# Altium PCB XTIDA-010086.PcbDoc (part 14 of 17)
Units mm, origin at the board's own origin, x right, y up, seen from the top; angles counter-clockwise.
Board outline 375 x 210 mm, 6 copper layers (Top Layer, GND Layer, Signal Layer 1, Signal Layer 2, Power Layer, Bottom Layer), stack 1.575 mm thick; 1884 components, 1036 nets, 4948 pads, 6791 vias.
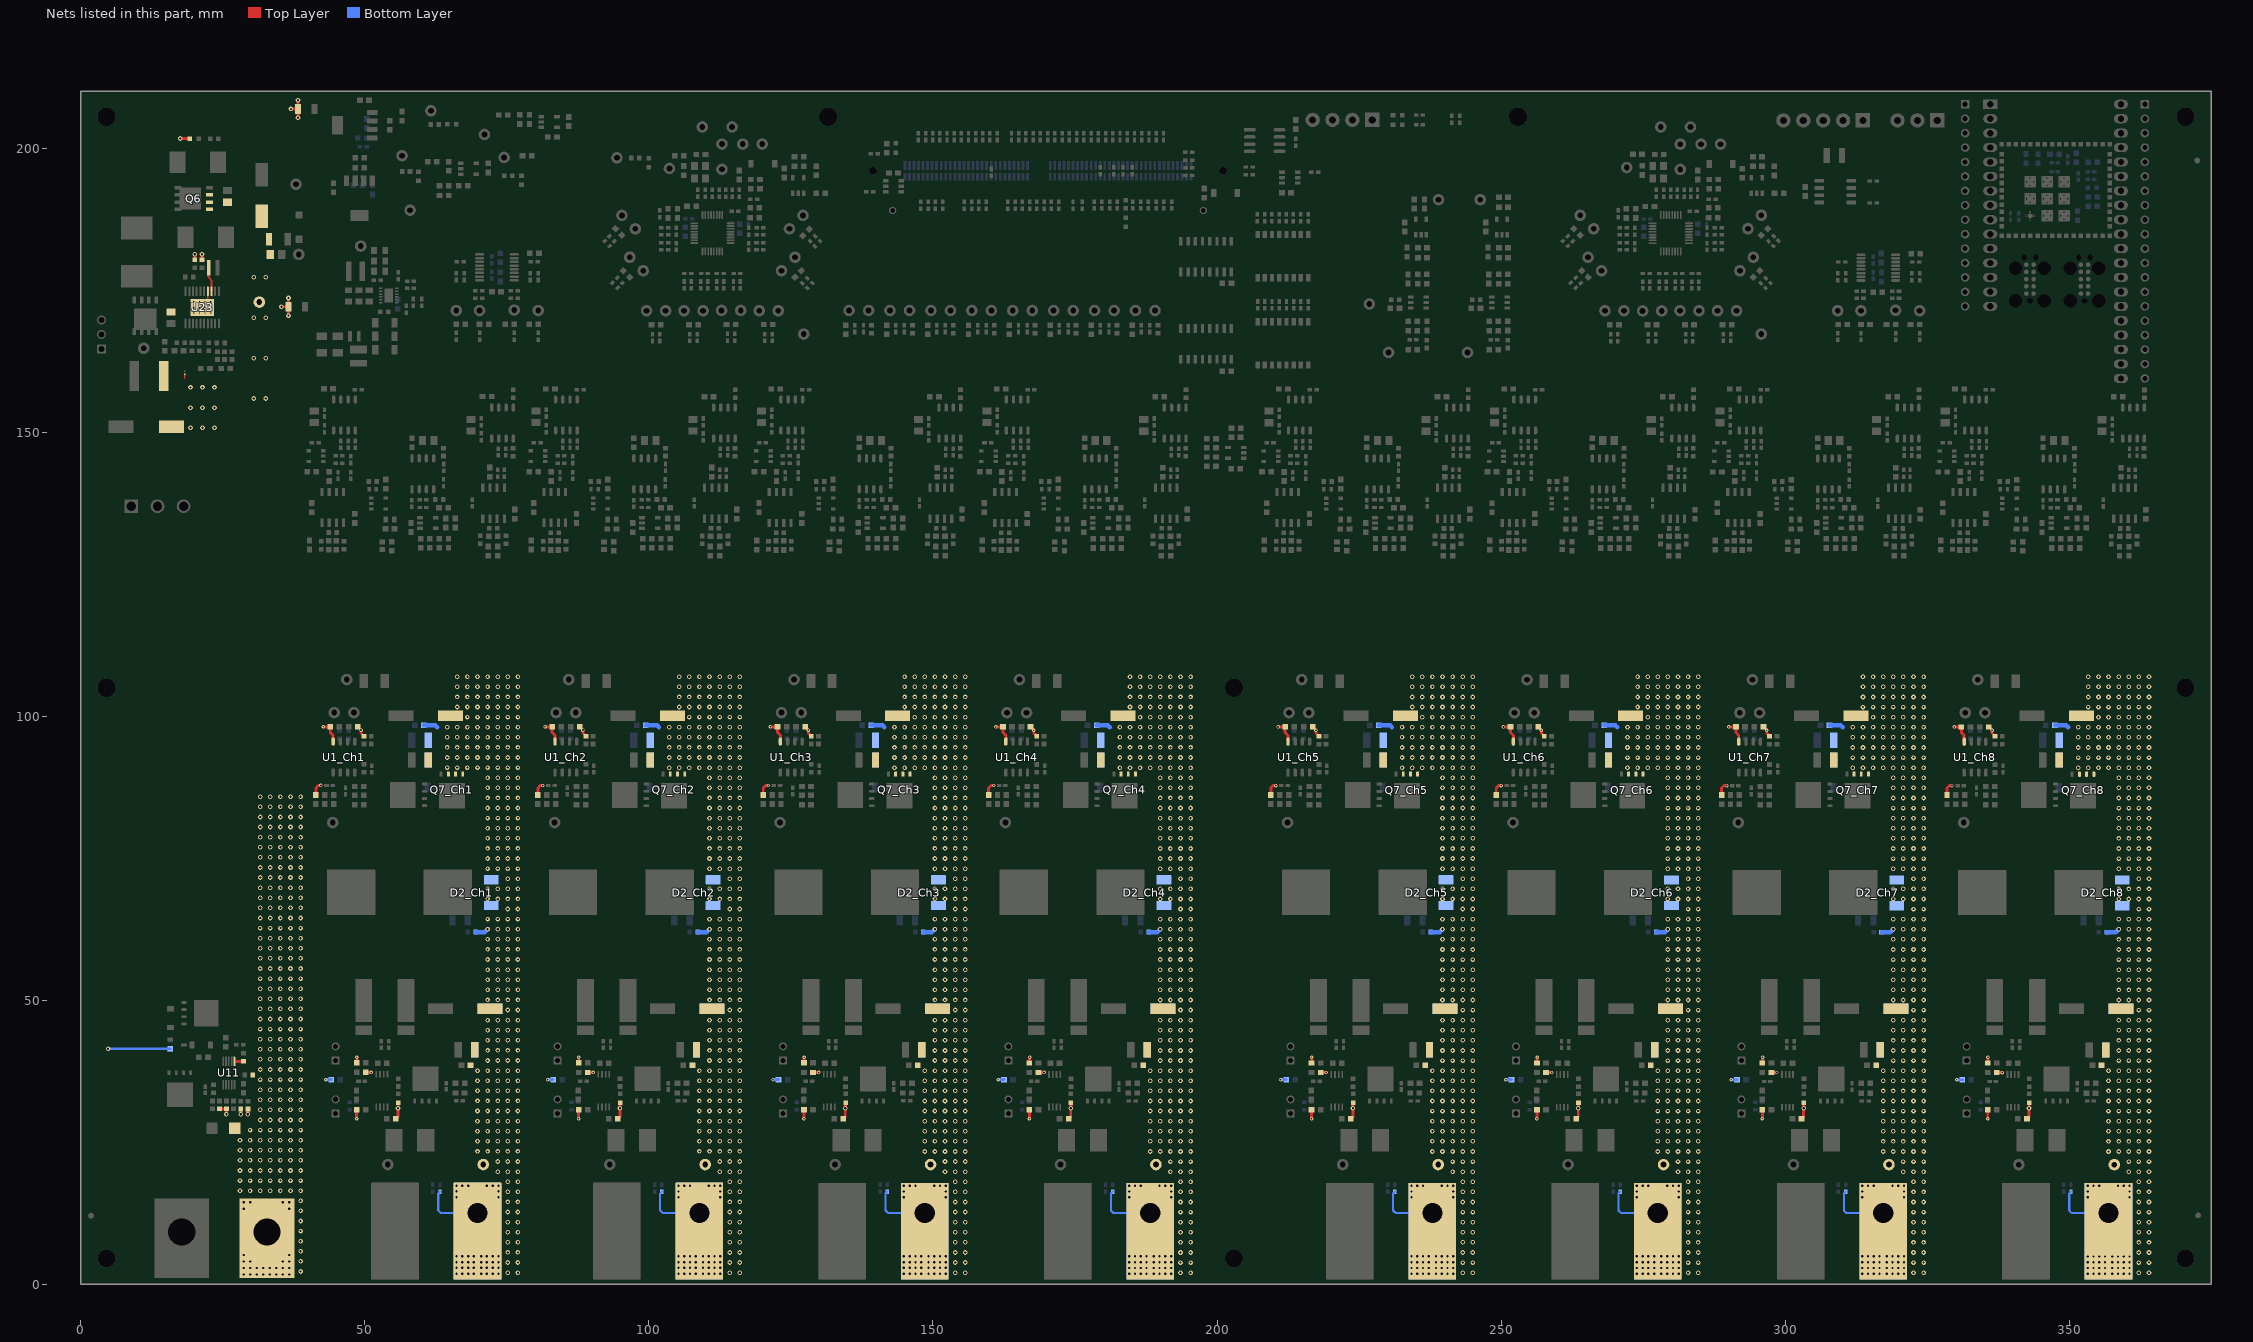
[diagram p18: the nets of this part, all layers, seen from the top]

## Via types
v1: diameter 0.813, hole 0.4, Top Layer to Bottom Layer, tented both sides, 4738 vias
v2: diameter 0.61, hole 0.3, Top Layer to Bottom Layer, tented both sides, 1254 vias
v3: diameter 0.813, hole 0.406, Top Layer to Bottom Layer, 728 vias
v4: diameter 0.5, hole 0.2, Top Layer to Bottom Layer, 40 vias
v5: diameter 5.45, hole 3.556, Top Layer to Bottom Layer, 16 vias
v6: diameter 5/3.65/3.65/3.65/3.65/5 (per signal layer), hole 3.2, Top Layer to Bottom Layer, 12 vias
v7: diameter 0.813, hole 0.4, Top Layer to Bottom Layer, 3 vias

## Nets (pads, with @x,y where several pads share a name; then routed paths per layer and width w, separated by ;. In a path a pad name is that pad's centre, name@x,y a point inside that pad or via, vN(x,y) a via of type N, cw(c..) or ccw(c..) an arc to the next point about the centre after c; other vN are vias at no path point) (continued)
PGND: C3_Ch1.2 C3_Ch2.2 C3_Ch3.2 C3_Ch4.2 C3_Ch5.2 C3_Ch6.2 C3_Ch7.2 C3_Ch8.2 C4_Ch1.2 C4_Ch2.2 C4_Ch3.2 C4_Ch4.2 C4_Ch5.2 C4_Ch6.2 C4_Ch7.2 C4_Ch8.2 C5_Ch1.2 C5_Ch2.2 C5_Ch3.2 C5_Ch4.2 C5_Ch5.2 C5_Ch6.2 C5_Ch7.2 C5_Ch8.2 C6_Ch1.2 C6_Ch2.2 C6_Ch3.2 C6_Ch4.2 C6_Ch5.2 C6_Ch6.2 C6_Ch7.2 C6_Ch8.2 C7_Ch1.2 C7_Ch2.2 C7_Ch3.2 C7_Ch4.2 C7_Ch5.2 C7_Ch6.2 C7_Ch7.2 C7_Ch8.2 C8_Ch1.1 C8_Ch2.1 C8_Ch3.1 C8_Ch4.1 C8_Ch5.1 C8_Ch6.1 C8_Ch7.1 C8_Ch8.1 C9_Ch1.2 C9_Ch2.2 C9_Ch3.2 C9_Ch4.2 C9_Ch5.2 C9_Ch6.2 C9_Ch7.2 C9_Ch8.2 C10_Ch1.2 C10_Ch2.2 C10_Ch3.2 C10_Ch4.2 C10_Ch5.2 C10_Ch6.2 C10_Ch7.2 C10_Ch8.2 C11_Ch1.2 C11_Ch2.2 C11_Ch3.2 C11_Ch4.2 C11_Ch5.2 C11_Ch6.2 C11_Ch7.2 C11_Ch8.2 C12_Ch1.2 C12_Ch2.2 C12_Ch3.2 C12_Ch4.2 C12_Ch5.2 C12_Ch6.2 C12_Ch7.2 C12_Ch8.2 C13_Ch1.2 C13_Ch2.2 C13_Ch3.2 C13_Ch4.2 C13_Ch5.2 C13_Ch6.2 C13_Ch7.2 C13_Ch8.2 C15_Ch1.1 C15_Ch2.1 C15_Ch3.1 C15_Ch4.1 C15_Ch5.1 C15_Ch6.1 C15_Ch7.1 C15_Ch8.1 C29_Ch1.2 C29_Ch2.2 C29_Ch3.2 C29_Ch4.2 C29_Ch5.2 C29_Ch6.2 C29_Ch7.2 C29_Ch8.2 C31_Ch1.2 C31_Ch2.2 C31_Ch3.2 C31_Ch4.2 C31_Ch5.2 C31_Ch6.2 C31_Ch7.2 C31_Ch8.2 C56.1 C57.1 C58.2 C59.1 C109.2 C110.2 C111.2 C113.2 C114.2 C118.2 C119.2 C121.2 C137.2 D2_Ch1.1 D2_Ch1.3 D2_Ch2.1 D2_Ch2.3 D2_Ch3.1 D2_Ch3.3 D2_Ch4.1 D2_Ch4.3 D2_Ch5.1 D2_Ch5.3 D2_Ch6.1 D2_Ch6.3 D2_Ch7.1 D2_Ch7.3 D2_Ch8.1 D2_Ch8.3 D8.2 D11.1 D36_Ch1.1 D36_Ch2.1 D36_Ch3.1 D36_Ch4.1 D36_Ch5.1 D36_Ch6.1 D36_Ch7.1 D36_Ch8.1 J3_Ch1.1 J3_Ch2.1 J3_Ch3.1 J3_Ch4.1 J3_Ch5.1 J3_Ch6.1 J3_Ch7.1 J3_Ch8.1 NT1.2 Q6.1 Q6.2 Q6.3 Q7_Ch1.1 Q7_Ch1.2 Q7_Ch1.3 Q7_Ch2.1 Q7_Ch2.2 Q7_Ch2.3 Q7_Ch3.1 Q7_Ch3.2 Q7_Ch3.3 Q7_Ch4.1 Q7_Ch4.2 Q7_Ch4.3 Q7_Ch5.1 Q7_Ch5.2 Q7_Ch5.3 Q7_Ch6.1 Q7_Ch6.2 Q7_Ch6.3 Q7_Ch7.1 Q7_Ch7.2 Q7_Ch7.3 Q7_Ch8.1 Q7_Ch8.2 Q7_Ch8.3 R1_Ch1.2 R1_Ch2.2 R1_Ch3.2 R1_Ch4.2 R1_Ch5.2 R1_Ch6.2 R1_Ch7.2 R1_Ch8.2 R5_Ch1.1 R5_Ch2.1 R5_Ch3.1 R5_Ch4.1 R5_Ch5.1 R5_Ch6.1 R5_Ch7.1 R5_Ch8.1 R15_Ch1.2 R15_Ch2.2 R15_Ch3.2 R15_Ch4.2 R15_Ch5.2 R15_Ch6.2 R15_Ch7.2 R15_Ch8.2 R20_Ch1.1 R20_Ch2.1 R20_Ch3.1 R20_Ch4.1 R20_Ch5.1 R20_Ch6.1 R20_Ch7.1 R20_Ch8.1 R24_Ch1.1 R24_Ch2.1 R24_Ch3.1 R24_Ch4.1 R24_Ch5.1 R24_Ch6.1 R24_Ch7.1 R24_Ch8.1 R46_Ch1.2 R46_Ch2.2 R46_Ch3.2 R46_Ch4.2 R46_Ch5.2 R46_Ch6.2 R46_Ch7.2 R46_Ch8.2 R81.1 R88.1 R89.1 R152.1 R153.2 R161_Ch1.2 R161_Ch2.2 R161_Ch3.2 R161_Ch4.2 R161_Ch5.2 R161_Ch6.2 R161_Ch7.2 R161_Ch8.2 R211.1 T2.1 TP6_Ch1.1 TP6_Ch2.1 TP6_Ch3.1 TP6_Ch4.1 TP6_Ch5.1 TP6_Ch6.1 TP6_Ch7.1 TP6_Ch8.1 TP34.1 U1_Ch1.4 U1_Ch2.4 U1_Ch3.4 U1_Ch4.4 U1_Ch5.4 U1_Ch6.4 U1_Ch7.4 U1_Ch8.4 U11.6 U23.13 U23.14 U23.21 | length 292.9
  Top Layer w0.254: U11.6@27.043,39.23 27.52,39.23
  Top Layer w0.305: 18.313,159.454 NT1.2@18.313,160.19 ; U23.21@21.374,171.95 22.349,172.925 U23.14@22.349,174.8 ; R211.1@22.491,178.91 22.491,177.247 22.999,176.739 U23.13@22.999,174.8
  Top Layer w0.5: v2@48.523,29.104 v2(48.554,29.135) R161_Ch1.2@48.554,30.718 ; C29_Ch1.2@55.461,29.104 55.829,29.472 v1(55.829,30.975) 55.867,31.013 D36_Ch1.1@55.867,31.921 ; v2@87.588,29.102 v2(87.619,29.133) R161_Ch2.2@87.619,30.716 ; C29_Ch2.2@94.526,29.102 94.894,29.47 v1(94.894,30.973) 94.932,31.011 D36_Ch2.1@94.932,31.919 ; v2@127.263,29.1 v2(127.294,29.131) R161_Ch3.2@127.294,30.714 ; C29_Ch3.2@134.201,29.1 134.569,29.468 v1(134.569,30.971) 134.607,31.009 D36_Ch3.1@134.607,31.917 ; v2@166.938,29.098 v2(166.969,29.129) R161_Ch4.2@166.969,30.712 ; C29_Ch4.2@173.876,29.098 174.244,29.466 v1(174.244,30.969) 174.282,31.007 D36_Ch4.1@174.282,31.915 ; v2@216.612,29.096 v2(216.643,29.127) R161_Ch5.2@216.643,30.71 ; C29_Ch5.2@223.55,29.096 223.919,29.464 v1(223.919,30.967) 223.957,31.005 D36_Ch5.1@223.957,31.913 ; v2@256.287,29.094 v2(256.318,29.125) R161_Ch6.2@256.318,30.708 ; C29_Ch6.2@263.225,29.094 263.594,29.462 v1(263.594,30.965) 263.632,31.003 D36_Ch6.1@263.632,31.911 ; v2@295.962,29.092 v2(295.993,29.123) R161_Ch7.2@295.993,30.706 ; C29_Ch7.2@302.9,29.092 303.268,29.46 v1(303.268,30.963) 303.307,31.001 D36_Ch7.1@303.306,31.909 ; v2@335.637,29.09 v2(335.668,29.121) R161_Ch8.2@335.668,30.704 ; C29_Ch8.2@342.575,29.09 342.943,29.458 v1(342.943,30.961) 342.981,30.999 D36_Ch8.1@342.981,31.907
  Top Layer w0.508: v1(17.501,201.668) D11.1@19.164,201.668 ; C118.2@20.053,180.296 20.066,180.308 v1(20.066,181.298) ; C119.2@21.311,180.283 C119.2@21.323,180.296 v1(21.323,181.285) ; R89.1@24.398,30.841 C57.1@25.629,30.841 v1(25.629,29.921) ; 27.52,39.23 28.622,39.23 C56.1@28.634,39.218 C56.1@28.626,39.209 ; v1(28.139,29.916) R88.1@28.139,30.836 ; v1(29.396,29.916) C59.1@29.396,30.836 ; v1(35.306,172.052) R153.2@36.553,172.052 ; v1(36.553,170.505) R153.2@36.553,172.052 ; v1(36.553,173.599) R153.2@36.553,172.052 ; v1(36.975,206.883) R152.1@38.222,206.883 ; v1(38.222,205.336) R152.1@38.222,206.883 ; v1(38.222,208.43) R152.1@38.222,206.883 ; R24_Ch1.1@41.386,86.121 41.607,86.342 41.607,86.367 41.386,86.146 41.386,87.369 41.802,87.785 v2(42.263,87.785) v2@42.244,87.766 ; v2(42.655,98.103) R5_Ch1.1@43.907,98.103 43.907,97.12 44.409,96.618 U1_Ch1.4@44.409,95.513 ; C31_Ch1.2@48.554,38.948 48.59,38.984 v2(48.59,39.955) ; R1_Ch1.2@48.758,98.103 v2(49.322,97.539) 49.322,97.011 C8_Ch1.1@49.843,96.49 ; R46_Ch1.2@50.154,37.272 v2(51.138,37.272) ; R24_Ch2.1@80.451,86.119 80.672,86.34 80.672,86.365 80.451,86.144 80.451,87.367 80.867,87.783 v2(81.328,87.783) v2@81.309,87.764 ; v2(81.72,98.101) R5_Ch2.1@82.972,98.101 82.972,97.118 83.474,96.616 U1_Ch2.4@83.474,95.511 ; C31_Ch2.2@87.619,38.946 87.655,38.982 v2(87.655,39.953) ; R1_Ch2.2@87.823,98.101 v2(88.387,97.537) 88.387,97.009 C8_Ch2.1@88.908,96.488 ; R46_Ch2.2@89.219,37.27 v2(90.203,37.27) ; R24_Ch3.1@120.126,86.117 120.347,86.338 120.347,86.363 120.126,86.142 120.126,87.365 120.542,87.781 v2(121.003,87.781) v2@120.984,87.762 ; v2(121.395,98.099) R5_Ch3.1@122.647,98.099 122.647,97.116 123.149,96.614 U1_Ch3.4@123.149,95.509 ; C31_Ch3.2@127.294,38.944 127.33,38.98 v2(127.33,39.951) ; R1_Ch3.2@127.498,98.099 v2(128.062,97.535) 128.062,97.007 C8_Ch3.1@128.583,96.486 ; R46_Ch3.2@128.894,37.268 v2(129.878,37.268) ; R24_Ch4.1@159.801,86.115 160.022,86.336 160.022,86.361 159.801,86.14 159.801,87.363 160.217,87.779 v2(160.678,87.779) v2@160.658,87.76 ; v2(161.069,98.097) R5_Ch4.1@162.322,98.097 162.322,97.114 162.823,96.612 U1_Ch4.4@162.823,95.507 ; C31_Ch4.2@166.969,38.942 167.005,38.978 v2(167.005,39.949) ; R1_Ch4.2@167.173,98.097 v2(167.737,97.533) 167.737,97.005 C8_Ch4.1@168.258,96.484 ; R46_Ch4.2@168.569,37.266 v2(169.552,37.266) ; R24_Ch5.1@209.475,86.113 209.696,86.334 209.696,86.359 209.475,86.138 209.475,87.361 209.892,87.777 v2(210.353,87.777) v2@210.333,87.758 ; v2(210.744,98.095) R5_Ch5.1@211.996,98.095 211.996,97.112 212.498,96.61 U1_Ch5.4@212.498,95.505 ; C31_Ch5.2@216.643,38.94 216.68,38.976 v2(216.68,39.947) ; R1_Ch5.2@216.848,98.095 v2(217.412,97.531) 217.412,97.003 C8_Ch5.1@217.933,96.482 ; R46_Ch5.2@218.243,37.264 v2(219.227,37.264) ; R24_Ch6.1@249.15,86.111 249.371,86.332 249.371,86.357 249.15,86.136 249.15,87.359 249.566,87.775 v2(250.027,87.775) v2@250.008,87.756 ; v2(250.419,98.093) R5_Ch6.1@251.671,98.093 251.671,97.11 252.173,96.608 U1_Ch6.4@252.173,95.503 ; C31_Ch6.2@256.318,38.938 256.355,38.974 v2(256.355,39.945) ; R1_Ch6.2@256.522,98.093 v2(257.086,97.529) 257.086,97.001 C8_Ch6.1@257.608,96.48 ; R46_Ch6.2@257.918,37.262 v2(258.902,37.262) ; R24_Ch7.1@288.825,86.109 289.046,86.33 289.046,86.355 288.825,86.134 288.825,87.357 289.241,87.773 v2(289.702,87.773) v2@289.683,87.754 ; v2(290.094,98.091) R5_Ch7.1@291.346,98.091 291.346,97.108 291.848,96.606 U1_Ch7.4@291.848,95.501 ; C31_Ch7.2@295.993,38.936 296.029,38.972 v2(296.029,39.943) ; R1_Ch7.2@296.197,98.091 v2(296.761,97.527) 296.761,96.999 C8_Ch7.1@297.282,96.478 ; R46_Ch7.2@297.593,37.26 v2(298.577,37.26) ; R24_Ch8.1@328.5,86.107 328.721,86.328 328.721,86.353 328.5,86.132 328.5,87.355 328.916,87.771 v2(329.377,87.771) v2@329.358,87.752 ; v2(329.769,98.089) R5_Ch8.1@331.021,98.089 331.021,97.106 331.523,96.604 U1_Ch8.4@331.523,95.499 ; C31_Ch8.2@335.668,38.934 335.704,38.97 v2(335.704,39.941) ; R1_Ch8.2@335.872,98.089 v2(336.436,97.525) 336.436,96.997 C8_Ch8.1@336.957,96.476 ; R46_Ch8.2@337.268,37.258 v2(338.252,37.258)
  Bottom Layer w0.381: R20_Ch1.1@63.221,16.291 62.903,15.974 62.903,12.986 63.366,12.522 v5(69.825,12.522) ; R20_Ch2.1@102.286,16.289 101.968,15.972 101.968,12.984 102.432,12.52 v5(108.89,12.52) ; R20_Ch3.1@141.961,16.287 141.643,15.97 141.643,12.982 142.106,12.518 v5(148.565,12.518) ; R20_Ch4.1@181.635,16.285 181.318,15.968 181.318,12.98 181.781,12.516 v5(188.239,12.516) ; R20_Ch5.1@231.31,16.283 230.993,15.966 230.993,12.978 231.456,12.514 v5(237.914,12.514) ; R20_Ch6.1@270.985,16.281 270.668,15.964 270.668,12.976 271.131,12.512 v5(277.589,12.512) ; R20_Ch7.1@310.66,16.279 310.342,15.962 310.342,12.974 310.806,12.51 v5(317.264,12.51) ; R20_Ch8.1@350.335,16.277 350.017,15.96 350.017,12.972 350.48,12.508 v5(356.939,12.508)
  Bottom Layer w0.5: v1@4.775,41.427 v1(4.8,41.452) R81.1@15.75,41.452 ; v1(38.684,36.017) v1@38.695,36.006
  Bottom Layer w0.508: v2(43.098,36.006) R15_Ch1.2@44.082,36.006 ; v2(82.163,36.004) R15_Ch2.2@83.147,36.004 ; v2(121.838,36.002) R15_Ch3.2@122.822,36.002 ; v2(161.513,36) R15_Ch4.2@162.497,36 ; v2(211.188,35.998) R15_Ch5.2@212.171,35.998 ; v2(250.862,35.996) R15_Ch6.2@251.846,35.996 ; v2(290.537,35.994) R15_Ch7.2@291.521,35.994 ; v2(330.212,35.992) R15_Ch8.2@331.196,35.992
  Bottom Layer w0.762: C7_Ch1.2@60.388,98.374 62.382,98.374 62.713,98.044 ; C15_Ch1.1@69.534,61.976 71.095,61.976 v1(71.603,62.484) ; C7_Ch2.2@99.454,98.372 101.448,98.372 101.778,98.042 ; C15_Ch2.1@108.599,61.974 110.16,61.974 v1(110.668,62.482) ; C7_Ch3.2@139.128,98.37 141.122,98.37 141.453,98.04 ; C15_Ch3.1@148.274,61.972 149.835,61.972 v1(150.343,62.48) ; C7_Ch4.2@178.803,98.368 180.797,98.368 181.127,98.038 ; C15_Ch4.1@187.949,61.97 189.509,61.97 v1(190.017,62.478) ; C7_Ch5.2@228.478,98.366 230.472,98.366 230.802,98.036 ; C15_Ch5.1@237.624,61.968 239.184,61.968 v1(239.692,62.476) ; C7_Ch6.2@268.153,98.364 270.147,98.364 270.477,98.034 ; C15_Ch6.1@277.298,61.966 278.859,61.966 v1(279.367,62.474) ; C7_Ch7.2@307.828,98.362 309.822,98.362 310.152,98.032 ; C15_Ch7.1@316.973,61.964 318.534,61.964 v1(319.042,62.472) ; C7_Ch8.2@347.502,98.36 349.496,98.36 349.827,98.03 ; C15_Ch8.1@356.648,61.962 358.209,61.962 v1(358.717,62.47)
  other v1: 282.923,2.022 284.701,2.022 322.598,2.02 324.376,2.02 362.273,2.018 364.051,2.018 75.159,2.032 76.937,2.032 114.224,2.03 116.002,2.03 153.899,2.028 155.677,2.028 193.573,2.026 195.351,2.026 243.248,2.024 245.026,2.024 38.684,2.235 282.923,3.8 284.701,3.8 322.598,3.798 324.376,3.798 362.273,3.796 364.051,3.796 75.159,3.81 76.937,3.81 114.224,3.808 116.002,3.808 153.899,3.806 155.677,3.806 193.573,3.804 195.351,3.804 243.248,3.802 245.026,3.802 38.684,4.013 282.923,5.578 284.701,5.578 322.598,5.576 324.376,5.576 362.273,5.574 364.051,5.574 75.159,5.588 76.937,5.588 114.224,5.586 116.002,5.586 153.899,5.584 155.677,5.584 193.573,5.582 195.351,5.582 243.248,5.58 245.026,5.58 38.684,5.791 282.923,7.356 284.701,7.356 322.598,7.354 324.376,7.354 362.273,7.352 364.051,7.352 75.159,7.366 76.937,7.366 114.224,7.364 116.002,7.364 153.899,7.362 155.677,7.362 193.573,7.36 195.351,7.36 243.248,7.358 245.026,7.358 38.684,7.569 282.923,9.134 284.701,9.134 322.598,9.132 324.376,9.132 362.273,9.13 364.051,9.13 75.159,9.144 76.937,9.144 114.224,9.142 116.002,9.142 153.899,9.14 155.677,9.14 193.573,9.138 195.351,9.138 243.248,9.136 245.026,9.136 38.684,9.347 282.923,10.912 284.701,10.912 322.598,10.91 324.376,10.91 362.273,10.908 364.051,10.908 75.159,10.922 76.937,10.922 114.224,10.92 116.002,10.92 153.899,10.918 155.677,10.918 193.573,10.916 195.351,10.916 243.248,10.914 245.026,10.914 38.684,11.125 282.923,12.69 284.701,12.69 322.598,12.688 324.376,12.688 362.273,12.686 364.051,12.686 75.159,12.7 76.937,12.7 114.224,12.698 116.002,12.698 153.899,12.696 155.677,12.696 193.573,12.694 195.351,12.694 243.248,12.692 245.026,12.692 38.684,12.903 282.923,14.468 284.701,14.468 322.598,14.466 324.376,14.466 362.273,14.464 364.051,14.464 75.159,14.478 76.937,14.478 114.224,14.476 116.002,14.476 153.899,14.474 155.677,14.474 193.573,14.472 195.351,14.472 243.248,14.47 245.026,14.47 38.684,14.681 282.923,16.246 284.701,16.246 322.598,16.244 324.376,16.244 362.273,16.242 364.051,16.242 75.159,16.256 76.937,16.256 114.224,16.254 116.002,16.254 153.899,16.252 155.677,16.252 193.573,16.25 195.351,16.25 243.248,16.248 245.026,16.248 28.016,16.459 29.794,16.459 31.572,16.459 33.35,16.459 35.128,16.459 36.906,16.459 38.684,16.459 282.923,18.024 284.701,18.024 322.598,18.022 324.376,18.022 362.273,18.02 364.051,18.02 75.159,18.034 76.937,18.034 114.224,18.032 116.002,18.032 153.899,18.03 155.677,18.03 193.573,18.028 195.351,18.028 243.248,18.026 245.026,18.026 28.016,18.237 29.794,18.237 31.572,18.237 33.35,18.237 35.128,18.237 36.906,18.237 38.684,18.237 281.145,19.802 282.923,19.802 284.701,19.802 320.82,19.8 322.598,19.8 324.376,19.8 360.495,19.798 362.273,19.798 364.051,19.798 73.381,19.812 75.159,19.812 76.937,19.812 112.446,19.81 114.224,19.81 116.002,19.81 152.121,19.808 153.899,19.808 155.677,19.808 191.795,19.806 193.573,19.806 195.351,19.806 241.47,19.804 243.248,19.804 245.026,19.804 28.016,20.015 29.794,20.015 31.572,20.015 33.35,20.015 35.128,20.015 36.906,20.015 38.684,20.015 281.145,21.58 282.923,21.58 284.701,21.58 320.82,21.578 322.598,21.578 324.376,21.578 360.495,21.576 362.273,21.576 364.051,21.576 73.381,21.59 75.159,21.59 76.937,21.59 112.446,21.588 114.224,21.588 116.002,21.588 152.121,21.586 153.899,21.586 155.677,21.586 191.795,21.584 193.573,21.584 195.351,21.584 241.47,21.582 243.248,21.582 245.026,21.582 28.016,21.793 29.794,21.793 31.572,21.793 33.35,21.793 35.128,21.793 36.906,21.793 38.684,21.793 277.589,23.358 279.367,23.358 281.145,23.358 282.923,23.358 284.701,23.358 317.264,23.356 319.042,23.356 320.82,23.356 322.598,23.356 324.376,23.356 356.939,23.354 358.717,23.354 360.495,23.354 362.273,23.354 364.051,23.354 69.825,23.368 71.603,23.368 73.381,23.368 75.159,23.368 76.937,23.368 108.89,23.366 110.668,23.366 112.446,23.366 114.224,23.366 116.002,23.366 148.565,23.364 150.343,23.364 152.121,23.364 153.899,23.364 155.677,23.364 188.239,23.362 190.017,23.362 191.795,23.362 193.573,23.362 195.351,23.362 237.914,23.36 239.692,23.36 241.47,23.36 243.248,23.36 245.026,23.36 28.016,23.571 29.794,23.571 31.572,23.571 33.35,23.571 35.128,23.571 36.906,23.571 38.684,23.571 277.589,25.136 279.367,25.136 281.145,25.136 282.923,25.136 284.701,25.136 317.264,25.134 319.042,25.134 320.82,25.134 322.598,25.134 324.376,25.134 356.939,25.132 358.717,25.132 360.495,25.132 362.273,25.132 364.051,25.132 69.825,25.146 71.603,25.146 73.381,25.146 75.159,25.146 76.937,25.146 108.89,25.144 110.668,25.144 112.446,25.144 114.224,25.144 116.002,25.144 148.565,25.142 150.343,25.142 152.121,25.142 153.899,25.142 155.677,25.142 188.239,25.14 190.017,25.14 191.795,25.14 193.573,25.14 195.351,25.14 237.914,25.138 239.692,25.138 241.47,25.138 243.248,25.138 245.026,25.138 28.016,25.349 29.794,25.349 31.572,25.349 33.35,25.349 35.128,25.349 36.906,25.349 38.684,25.349 277.589,26.914 279.367,26.914 281.145,26.914 282.923,26.914 284.701,26.914 317.264,26.912 319.042,26.912 320.82,26.912 322.598,26.912 324.376,26.912 356.939,26.91 358.717,26.91 360.495,26.91 362.273,26.91 364.051,26.91 69.825,26.924 71.603,26.924 73.381,26.924 75.159,26.924 76.937,26.924 108.89,26.922 110.668,26.922 112.446,26.922 114.224,26.922 116.002,26.922 148.565,26.92 150.343,26.92 152.121,26.92 153.899,26.92 155.677,26.92 188.239,26.918 190.017,26.918 191.795,26.918 193.573,26.918 195.351,26.918 237.914,26.916 239.692,26.916 241.47,26.916 243.248,26.916 245.026,26.916 29.794,27.127 31.572,27.127 33.35,27.127 35.128,27.127 36.906,27.127 38.684,27.127 277.589,28.692 279.367,28.692 281.145,28.692 282.923,28.692 284.701,28.692 317.264,28.69 319.042,28.69 320.82,28.69 322.598,28.69 324.376,28.69 356.939,28.688 358.717,28.688 360.495,28.688 362.273,28.688 364.051,28.688 69.825,28.702 71.603,28.702 73.381,28.702 75.159,28.702 76.937,28.702 108.89,28.7 110.668,28.7 112.446,28.7 114.224,28.7 116.002,28.7 148.565,28.698 150.343,28.698 152.121,28.698 153.899,28.698 155.677,28.698 188.239,28.696 190.017,28.696 191.795,28.696 193.573,28.696 195.351,28.696 237.914,28.694 239.692,28.694 241.47,28.694 243.248,28.694 245.026,28.694 31.572,28.905 33.35,28.905 35.128,28.905 36.906,28.905 38.684,28.905 277.589,30.47 279.367,30.47 281.145,30.47 282.923,30.47 284.701,30.47 317.264,30.468 319.042,30.468 320.82,30.468 322.598,30.468 324.376,30.468 356.939,30.466 358.717,30.466 360.495,30.466 362.273,30.466 364.051,30.466 69.825,30.48 71.603,30.48 73.381,30.48 75.159,30.48 76.937,30.48 108.89,30.478 110.668,30.478 112.446,30.478 114.224,30.478 116.002,30.478 148.565,30.476 150.343,30.476 152.121,30.476 153.899,30.476 155.677,30.476 188.239,30.474 190.017,30.474 191.795,30.474 193.573,30.474 195.351,30.474 237.914,30.472 239.692,30.472 241.47,30.472 243.248,30.472 245.026,30.472 31.572,30.683 33.35,30.683 35.128,30.683 36.906,30.683 38.684,30.683 277.589,32.248 279.367,32.248 281.145,32.248 282.923,32.248 284.701,32.248 317.264,32.246 319.042,32.246 320.82,32.246 322.598,32.246 324.376,32.246 356.939,32.244 358.717,32.244 360.495,32.244 362.273,32.244 364.051,32.244 69.825,32.258 71.603,32.258 73.381,32.258 75.159,32.258 76.937,32.258 108.89,32.256 110.668,32.256 112.446,32.256 114.224,32.256 116.002,32.256 148.565,32.254 150.343,32.254 152.121,32.254 153.899,32.254 155.677,32.254 188.239,32.252 190.017,32.252 191.795,32.252 193.573,32.252 195.351,32.252 237.914,32.25 239.692,32.25 241.47,32.25 243.248,32.25 245.026,32.25 31.572,32.461 33.35,32.461 35.128,32.461 36.906,32.461 38.684,32.461 277.589,34.026 279.367,34.026 281.145,34.026 282.923,34.026 284.701,34.026 317.264,34.024 319.042,34.024 320.82,34.024 322.598,34.024 324.376,34.024 356.939,34.022 358.717,34.022 360.495,34.022 362.273,34.022 364.051,34.022 69.825,34.036 71.603,34.036 73.381,34.036 75.159,34.036 76.937,34.036 108.89,34.034 110.668,34.034 112.446,34.034 114.224,34.034 116.002,34.034 148.565,34.032 150.343,34.032 152.121,34.032 153.899,34.032 155.677,34.032 188.239,34.03 190.017,34.03 191.795,34.03 193.573,34.03 195.351,34.03 237.914,34.028 239.692,34.028 241.47,34.028 243.248,34.028 245.026,34.028 31.572,34.239 33.35,34.239 35.128,34.239 36.906,34.239 38.684,34.239 277.589,35.804 279.367,35.804 281.145,35.804 282.923,35.804 284.701,35.804 317.264,35.802 319.042,35.802 320.82,35.802 322.598,35.802 324.376,35.802 356.939,35.8 358.717,35.8 360.495,35.8 362.273,35.8 364.051,35.8 69.825,35.814 71.603,35.814 73.381,35.814 75.159,35.814 76.937,35.814 108.89,35.812 110.668,35.812 112.446,35.812 114.224,35.812 116.002,35.812 148.565,35.81 150.343,35.81 152.121,35.81 153.899,35.81 155.677,35.81 188.239,35.808 190.017,35.808 191.795,35.808 193.573,35.808 195.351,35.808 237.914,35.806 239.692,35.806 241.47,35.806 243.248,35.806 245.026,35.806 31.572,36.017 33.35,36.017 35.128,36.017 36.906,36.017 277.589,37.582 279.367,37.582 281.145,37.582 282.923,37.582 284.701,37.582 317.264,37.58 319.042,37.58 320.82,37.58 322.598,37.58 324.376,37.58 356.939,37.578 358.717,37.578 360.495,37.578 362.273,37.578 364.051,37.578 69.825,37.592 71.603,37.592 73.381,37.592 75.159,37.592 76.937,37.592 108.89,37.59 110.668,37.59 112.446,37.59 114.224,37.59 116.002,37.59 148.565,37.588 150.343,37.588 152.121,37.588 153.899,37.588 155.677,37.588 188.239,37.586 190.017,37.586 191.795,37.586 193.573,37.586 195.351,37.586 237.914,37.584 239.692,37.584 241.47,37.584 243.248,37.584 245.026,37.584 31.572,37.795 33.35,37.795 35.128,37.795 36.906,37.795 38.684,37.795 279.367,39.36 281.145,39.36 282.923,39.36 284.701,39.36 319.042,39.358 320.82,39.358 322.598,39.358 324.376,39.358 358.717,39.356 360.495,39.356 362.273,39.356 364.051,39.356 71.603,39.37 73.381,39.37 75.159,39.37 76.937,39.37 110.668,39.368 112.446,39.368 114.224,39.368 116.002,39.368 150.343,39.366 152.121,39.366 153.899,39.366 155.677,39.366 190.017,39.364 191.795,39.364 193.573,39.364 195.351,39.364 239.692,39.362 241.47,39.362 243.248,39.362 245.026,39.362 31.572,39.573 33.35,39.573 35.128,39.573 36.906,39.573 38.684,39.573 279.367,41.138 281.145,41.138 282.923,41.138 284.701,41.138 319.042,41.136 320.82,41.136 322.598,41.136 324.376,41.136 358.717,41.134 360.495,41.134 362.273,41.134 364.051,41.134 71.603,41.148 73.381,41.148 75.159,41.148 76.937,41.148 110.668,41.146 112.446,41.146 114.224,41.146 116.002,41.146 150.343,41.144 152.121,41.144 153.899,41.144 155.677,41.144 190.017,41.142 191.795,41.142 193.573,41.142 195.351,41.142 239.692,41.14 241.47,41.14 243.248,41.14 245.026,41.14 31.572,41.351 33.35,41.351 35.128,41.351 36.906,41.351 38.684,41.351 279.367,42.916 281.145,42.916 282.923,42.916 284.701,42.916 319.042,42.914 320.82,42.914 322.598,42.914 324.376,42.914 358.717,42.912 360.495,42.912 362.273,42.912 364.051,42.912 71.603,42.926 73.381,42.926 75.159,42.926 76.937,42.926 110.668,42.924 112.446,42.924 114.224,42.924 116.002,42.924 150.343,42.922 152.121,42.922 153.899,42.922 155.677,42.922 190.017,42.92 191.795,42.92 193.573,42.92 195.351,42.92 239.692,42.918 241.47,42.918 243.248,42.918 245.026,42.918 31.572,43.129 33.35,43.129 35.128,43.129 36.906,43.129 38.684,43.129 279.367,44.694 281.145,44.694 282.923,44.694 284.701,44.694 319.042,44.692 320.82,44.692 322.598,44.692 324.376,44.692 358.717,44.69 360.495,44.69 362.273,44.69 364.051,44.69 71.603,44.704 73.381,44.704 75.159,44.704 76.937,44.704 110.668,44.702 112.446,44.702 114.224,44.702 116.002,44.702 150.343,44.7 152.121,44.7 153.899,44.7 155.677,44.7 190.017,44.698 191.795,44.698 193.573,44.698 195.351,44.698 239.692,44.696 241.47,44.696 243.248,44.696 245.026,44.696 31.572,44.907 33.35,44.907 35.128,44.907 36.906,44.907 38.684,44.907 279.367,46.472 281.145,46.472 282.923,46.472 284.701,46.472 319.042,46.47 320.82,46.47 322.598,46.47 324.376,46.47 358.717,46.468 360.495,46.468 362.273,46.468 364.051,46.468 71.603,46.482 73.381,46.482 75.159,46.482 76.937,46.482 110.668,46.48 112.446,46.48 114.224,46.48 116.002,46.48 150.343,46.478 152.121,46.478 153.899,46.478 155.677,46.478 190.017,46.476 191.795,46.476 193.573,46.476 195.351,46.476 239.692,46.474 241.47,46.474 243.248,46.474 245.026,46.474 31.572,46.685 33.35,46.685 35.128,46.685 36.906,46.685 38.684,46.685 282.923,48.25 284.701,48.25 322.598,48.248 324.376,48.248 362.273,48.246 364.051,48.246 75.159,48.26 76.937,48.26 114.224,48.258 116.002,48.258 153.899,48.256 155.677,48.256 193.573,48.254 195.351,48.254 243.248,48.252 245.026,48.252 31.572,48.463 33.35,48.463 35.128,48.463 36.906,48.463 38.684,48.463 279.367,50.028 281.145,50.028 282.923,50.028 284.701,50.028 319.042,50.026 320.82,50.026 322.598,50.026 324.376,50.026 358.717,50.024 360.495,50.024 362.273,50.024 364.051,50.024 71.603,50.038 73.381,50.038 75.159,50.038 76.937,50.038 110.668,50.036 112.446,50.036 114.224,50.036 116.002,50.036 150.343,50.034 152.121,50.034 153.899,50.034 155.677,50.034 190.017,50.032 191.795,50.032 193.573,50.032 195.351,50.032 239.692,50.03 241.47,50.03 243.248,50.03 245.026,50.03 31.572,50.241 33.35,50.241 35.128,50.241 36.906,50.241 38.684,50.241 279.367,51.806 281.145,51.806 282.923,51.806 284.701,51.806 319.042,51.804 320.82,51.804 322.598,51.804 324.376,51.804 358.717,51.802 360.495,51.802 362.273,51.802 364.051,51.802 71.603,51.816 73.381,51.816 75.159,51.816 76.937,51.816 110.668,51.814 112.446,51.814 114.224,51.814 116.002,51.814 150.343,51.812 152.121,51.812 153.899,51.812 155.677,51.812 190.017,51.81 191.795,51.81 193.573,51.81 195.351,51.81 239.692,51.808 241.47,51.808 243.248,51.808 245.026,51.808 31.572,52.019 33.35,52.019 35.128,52.019 36.906,52.019 38.684,52.019 279.367,53.584 281.145,53.584 282.923,53.584 284.701,53.584 319.042,53.582 320.82,53.582 322.598,53.582 324.376,53.582 358.717,53.58 360.495,53.58 362.273,53.58 364.051,53.58 71.603,53.594 73.381,53.594 75.159,53.594 76.937,53.594 110.668,53.592 112.446,53.592 114.224,53.592 116.002,53.592 150.343,53.59 152.121,53.59 153.899,53.59 155.677,53.59 190.017,53.588 191.795,53.588 193.573,53.588 195.351,53.588 239.692,53.586 241.47,53.586 243.248,53.586 245.026,53.586 31.572,53.797 33.35,53.797 35.128,53.797 36.906,53.797 38.684,53.797 279.367,55.362 281.145,55.362 282.923,55.362 284.701,55.362 319.042,55.36 320.82,55.36 322.598,55.36 324.376,55.36 358.717,55.358 360.495,55.358 362.273,55.358 364.051,55.358 71.603,55.372 73.381,55.372 75.159,55.372 76.937,55.372 110.668,55.37 112.446,55.37 114.224,55.37 116.002,55.37 150.343,55.368 152.121,55.368 153.899,55.368 155.677,55.368 190.017,55.366 191.795,55.366 193.573,55.366 195.351,55.366 239.692,55.364 241.47,55.364 243.248,55.364 245.026,55.364 31.572,55.575 33.35,55.575 35.128,55.575 36.906,55.575 38.684,55.575 279.367,57.14 281.145,57.14 282.923,57.14 284.701,57.14 319.042,57.138 320.82,57.138 322.598,57.138 324.376,57.138 358.717,57.136 360.495,57.136 362.273,57.136 364.051,57.136 71.603,57.15 73.381,57.15 75.159,57.15 76.937,57.15 110.668,57.148 112.446,57.148 114.224,57.148 116.002,57.148 150.343,57.146 152.121,57.146 153.899,57.146 155.677,57.146 190.017,57.144 191.795,57.144 193.573,57.144 195.351,57.144 239.692,57.142 241.47,57.142 243.248,57.142 245.026,57.142 31.572,57.353 33.35,57.353 35.128,57.353 36.906,57.353 38.684,57.353 279.367,58.918 281.145,58.918 282.923,58.918 284.701,58.918 319.042,58.916 320.82,58.916 322.598,58.916 324.376,58.916 358.717,58.914 360.495,58.914 362.273,58.914 364.051,58.914 71.603,58.928 73.381,58.928 75.159,58.928 76.937,58.928 110.668,58.926 112.446,58.926 114.224,58.926 116.002,58.926 150.343,58.924 152.121,58.924 153.899,58.924 155.677,58.924 190.017,58.922 191.795,58.922 193.573,58.922 195.351,58.922 239.692,58.92 241.47,58.92 243.248,58.92 245.026,58.92 31.572,59.131 33.35,59.131 35.128,59.131 36.906,59.131 38.684,59.131 279.367,60.696 281.145,60.696 282.923,60.696 284.701,60.696 319.042,60.694 320.82,60.694 322.598,60.694 324.376,60.694 358.717,60.692 360.495,60.692 362.273,60.692 364.051,60.692 71.603,60.706 73.381,60.706 75.159,60.706 76.937,60.706 110.668,60.704 112.446,60.704 114.224,60.704 116.002,60.704 150.343,60.702 152.121,60.702 153.899,60.702 155.677,60.702 190.017,60.7 191.795,60.7 193.573,60.7 195.351,60.7 239.692,60.698 241.47,60.698 243.248,60.698 245.026,60.698 31.572,60.909 33.35,60.909 35.128,60.909 36.906,60.909 38.684,60.909 281.145,62.474 282.923,62.474 284.701,62.474 320.82,62.472 322.598,62.472 324.376,62.472 360.495,62.47 362.273,62.47 364.051,62.47 73.381,62.484 75.159,62.484 76.937,62.484 112.446,62.482 114.224,62.482 116.002,62.482 152.121,62.48 153.899,62.48 155.677,62.48 191.795,62.478 193.573,62.478 195.351,62.478 241.47,62.476 243.248,62.476 245.026,62.476 31.572,62.687 33.35,62.687 35.128,62.687 36.906,62.687 38.684,62.687 279.367,64.252 281.145,64.252 282.923,64.252 284.701,64.252 319.042,64.25 320.82,64.25 322.598,64.25 324.376,64.25 358.717,64.248 360.495,64.248 362.273,64.248 364.051,64.248 71.603,64.262 73.381,64.262 75.159,64.262 76.937,64.262 110.668,64.26 112.446,64.26 114.224,64.26 116.002,64.26 150.343,64.258 152.121,64.258 153.899,64.258 155.677,64.258 190.017,64.256 191.795,64.256 193.573,64.256 195.351,64.256 239.692,64.254 241.47,64.254 243.248,64.254 245.026,64.254 31.572,64.465 33.35,64.465 35.128,64.465 36.906,64.465 38.684,64.465 282.923,66.03 284.701,66.03 322.598,66.028 324.376,66.028 362.273,66.026 364.051,66.026 75.159,66.04 76.937,66.04 114.224,66.038 116.002,66.038 153.899,66.036 155.677,66.036 193.573,66.034 195.351,66.034 243.248,66.032 245.026,66.032 31.572,66.243 33.35,66.243 35.128,66.243 36.906,66.243 38.684,66.243 279.367,67.808 281.145,67.808 282.923,67.808 284.701,67.808 319.042,67.806 320.82,67.806 322.598,67.806 324.376,67.806 358.717,67.804 360.495,67.804 362.273,67.804 364.051,67.804 71.603,67.818 73.381,67.818 75.159,67.818 76.937,67.818 110.668,67.816 112.446,67.816 114.224,67.816 116.002,67.816 150.343,67.814 152.121,67.814 153.899,67.814 155.677,67.814 190.017,67.812 191.795,67.812 193.573,67.812 195.351,67.812 239.692,67.81 241.47,67.81 243.248,67.81 245.026,67.81 31.572,68.021 33.35,68.021 35.128,68.021 36.906,68.021 38.684,68.021 279.367,69.586 281.145,69.586 282.923,69.586 284.701,69.586 319.042,69.584 320.82,69.584 322.598,69.584 324.376,69.584 358.717,69.582 360.495,69.582 362.273,69.582 364.051,69.582 71.603,69.596 73.381,69.596 75.159,69.596 76.937,69.596 110.668,69.594 112.446,69.594 114.224,69.594 116.002,69.594 150.343,69.592 152.121,69.592 153.899,69.592 155.677,69.592 190.017,69.59 191.795,69.59 193.573,69.59 195.351,69.59 239.692,69.588 241.47,69.588 243.248,69.588 245.026,69.588 31.572,69.799 33.35,69.799 35.128,69.799 36.906,69.799 38.684,69.799 282.923,71.364 284.701,71.364 322.598,71.362 324.376,71.362 362.273,71.36 364.051,71.36 75.159,71.374 76.937,71.374 114.224,71.372 116.002,71.372 153.899,71.37 155.677,71.37 193.573,71.368 195.351,71.368 243.248,71.366 245.026,71.366 31.572,71.577 33.35,71.577 35.128,71.577 36.906,71.577 38.684,71.577 279.367,73.142 281.145,73.142 282.923,73.142 284.701,73.142 319.042,73.14 320.82,73.14 322.598,73.14 324.376,73.14 358.717,73.138 360.495,73.138 362.273,73.138 364.051,73.138 71.603,73.152 73.381,73.152 75.159,73.152 76.937,73.152 110.668,73.15 112.446,73.15 114.224,73.15 116.002,73.15 150.343,73.148 152.121,73.148 153.899,73.148 155.677,73.148 190.017,73.146 191.795,73.146 193.573,73.146 195.351,73.146 239.692,73.144 241.47,73.144 243.248,73.144 245.026,73.144 31.572,73.355 33.35,73.355 35.128,73.355 36.906,73.355 38.684,73.355 279.367,74.92 281.145,74.92 282.923,74.92 284.701,74.92 319.042,74.918 320.82,74.918 322.598,74.918 324.376,74.918 358.717,74.916 360.495,74.916 362.273,74.916 364.051,74.916 71.603,74.93 73.381,74.93 75.159,74.93 76.937,74.93 110.668,74.928 112.446,74.928 114.224,74.928 116.002,74.928 150.343,74.926 152.121,74.926 153.899,74.926 155.677,74.926 190.017,74.924 191.795,74.924 193.573,74.924 195.351,74.924 239.692,74.922 241.47,74.922 243.248,74.922 245.026,74.922 31.572,75.133 33.35,75.133 35.128,75.133 36.906,75.133 38.684,75.133 279.367,76.698 281.145,76.698 282.923,76.698 284.701,76.698 319.042,76.696 320.82,76.696 322.598,76.696 324.376,76.696 358.717,76.694 360.495,76.694 362.273,76.694 364.051,76.694 71.603,76.708 73.381,76.708 75.159,76.708 76.937,76.708 110.668,76.706 112.446,76.706 114.224,76.706 116.002,76.706 150.343,76.704 152.121,76.704 153.899,76.704 155.677,76.704 190.017,76.702 191.795,76.702 193.573,76.702 195.351,76.702 239.692,76.7 241.47,76.7 243.248,76.7 245.026,76.7 31.572,76.911 33.35,76.911 35.128,76.911 36.906,76.911 38.684,76.911 279.367,78.476 281.145,78.476 282.923,78.476 284.701,78.476 319.042,78.474 320.82,78.474 322.598,78.474 324.376,78.474 358.717,78.472 360.495,78.472 362.273,78.472 364.051,78.472 71.603,78.486 73.381,78.486 75.159,78.486 76.937,78.486 110.668,78.484 112.446,78.484 114.224,78.484 116.002,78.484 150.343,78.482 152.121,78.482 153.899,78.482 155.677,78.482 190.017,78.48 191.795,78.48 193.573,78.48 195.351,78.48 239.692,78.478 241.47,78.478 243.248,78.478 245.026,78.478 31.572,78.689 33.35,78.689 35.128,78.689 36.906,78.689 38.684,78.689 279.367,80.254 281.145,80.254 282.923,80.254 284.701,80.254 319.042,80.252 320.82,80.252 322.598,80.252 324.376,80.252 358.717,80.25 360.495,80.25 362.273,80.25 364.051,80.25 71.603,80.264 73.381,80.264 75.159,80.264 76.937,80.264 110.668,80.262 112.446,80.262 114.224,80.262 116.002,80.262 150.343,80.26 152.121,80.26 153.899,80.26 155.677,80.26 190.017,80.258 191.795,80.258 193.573,80.258 195.351,80.258 239.692,80.256 241.47,80.256 243.248,80.256 245.026,80.256 31.572,80.467 33.35,80.467 35.128,80.467 36.906,80.467 38.684,80.467 279.367,82.032 281.145,82.032 282.923,82.032 284.701,82.032 319.042,82.03 320.82,82.03 322.598,82.03 324.376,82.03 358.717,82.028 360.495,82.028 362.273,82.028 364.051,82.028 71.603,82.042 73.381,82.042 75.159,82.042 76.937,82.042 110.668,82.04 112.446,82.04 114.224,82.04 116.002,82.04 150.343,82.038 152.121,82.038 153.899,82.038 155.677,82.038 190.017,82.036 191.795,82.036 193.573,82.036 195.351,82.036 239.692,82.034 241.47,82.034 243.248,82.034 245.026,82.034 31.572,82.245 33.35,82.245 35.128,82.245 36.906,82.245 38.684,82.245 279.367,83.81 281.145,83.81 282.923,83.81 284.701,83.81 319.042,83.808 320.82,83.808 322.598,83.808 324.376,83.808 358.717,83.806 360.495,83.806 362.273,83.806 364.051,83.806 71.603,83.82 73.381,83.82 75.159,83.82 76.937,83.82 110.668,83.818 112.446,83.818 114.224,83.818 116.002,83.818 150.343,83.816 152.121,83.816 153.899,83.816 155.677,83.816 190.017,83.814 191.795,83.814 193.573,83.814 195.351,83.814 239.692,83.812 241.47,83.812 243.248,83.812 245.026,83.812 31.572,84.023 33.35,84.023 35.128,84.023 36.906,84.023 38.684,84.023 279.367,85.588 281.145,85.588 282.923,85.588 284.701,85.588 319.042,85.586 320.82,85.586 322.598,85.586 324.376,85.586 358.717,85.584 360.495,85.584 362.273,85.584 364.051,85.584 71.603,85.598 73.381,85.598 75.159,85.598 76.937,85.598 110.668,85.596 112.446,85.596 114.224,85.596 116.002,85.596 150.343,85.594 152.121,85.594 153.899,85.594 155.677,85.594 190.017,85.592 191.795,85.592 193.573,85.592 195.351,85.592 239.692,85.59 241.47,85.59 243.248,85.59 245.026,85.59 31.572,85.801 33.35,85.801 35.128,85.801 36.906,85.801 38.684,85.801 279.367,87.366 281.145,87.366 282.923,87.366 284.701,87.366 319.042,87.364 320.82,87.364 322.598,87.364 324.376,87.364 358.717,87.362 360.495,87.362 362.273,87.362 364.051,87.362 71.603,87.376 73.381,87.376 75.159,87.376 76.937,87.376 110.668,87.374 112.446,87.374 114.224,87.374 116.002,87.374 150.343,87.372 152.121,87.372 153.899,87.372 155.677,87.372 190.017,87.37 191.795,87.37 193.573,87.37 195.351,87.37 239.692,87.368 241.47,87.368 243.248,87.368 245.026,87.368 279.367,89.144 281.145,89.144 282.923,89.144 284.701,89.144 319.042,89.142 320.82,89.142 322.598,89.142 324.376,89.142 358.717,89.14 360.495,89.14 362.273,89.14 364.051,89.14 71.603,89.154 73.381,89.154 75.159,89.154 76.937,89.154 110.668,89.152 112.446,89.152 114.224,89.152 116.002,89.152 150.343,89.15 152.121,89.15 153.899,89.15 155.677,89.15 190.017,89.148 191.795,89.148 193.573,89.148 195.351,89.148 239.692,89.146 241.47,89.146 243.248,89.146 245.026,89.146 272.255,90.922 274.033,90.922 275.811,90.922 277.589,90.922 279.367,90.922 281.145,90.922 282.923,90.922 284.701,90.922 311.93,90.92 313.708,90.92 315.486,90.92 317.264,90.92 319.042,90.92 320.82,90.92 322.598,90.92 324.376,90.92 351.605,90.918 353.383,90.918 355.161,90.918 356.939,90.918 358.717,90.918 360.495,90.918 362.273,90.918 364.051,90.918 64.491,90.932 66.269,90.932 68.047,90.932 69.825,90.932 71.603,90.932 73.381,90.932 75.159,90.932 76.937,90.932 103.556,90.93 105.334,90.93 107.112,90.93 108.89,90.93 110.668,90.93 112.446,90.93 114.224,90.93 116.002,90.93 143.231,90.928 145.009,90.928 146.787,90.928 148.565,90.928 150.343,90.928 152.121,90.928 153.899,90.928 155.677,90.928 182.905,90.926 184.683,90.926 186.461,90.926 188.239,90.926 190.017,90.926 191.795,90.926 193.573,90.926 195.351,90.926 232.58,90.924 234.358,90.924 236.136,90.924 237.914,90.924 239.692,90.924 241.47,90.924 243.248,90.924 245.026,90.924 272.255,92.7 274.033,92.7 275.811,92.7 277.589,92.7 279.367,92.7 281.145,92.7 282.923,92.7 284.701,92.7 311.93,92.698 313.708,92.698 315.486,92.698 317.264,92.698 319.042,92.698 320.82,92.698 322.598,92.698 324.376,92.698 351.605,92.696 353.383,92.696 355.161,92.696 356.939,92.696 358.717,92.696 360.495,92.696 362.273,92.696 364.051,92.696 64.491,92.71 66.269,92.71 68.047,92.71 69.825,92.71 71.603,92.71 73.381,92.71 75.159,92.71 76.937,92.71 103.556,92.708 105.334,92.708 107.112,92.708 108.89,92.708 110.668,92.708 112.446,92.708 114.224,92.708 116.002,92.708 143.231,92.706 145.009,92.706 146.787,92.706 148.565,92.706 150.343,92.706 152.121,92.706 153.899,92.706 155.677,92.706 182.905,92.704 184.683,92.704 186.461,92.704 188.239,92.704 190.017,92.704 191.795,92.704 193.573,92.704 195.351,92.704 232.58,92.702 234.358,92.702 236.136,92.702 237.914,92.702 239.692,92.702 241.47,92.702 243.248,92.702 245.026,92.702 272.255,94.478 274.033,94.478 275.811,94.478 277.589,94.478 279.367,94.478 281.145,94.478 282.923,94.478 284.701,94.478 311.93,94.476 313.708,94.476 315.486,94.476 317.264,94.476 319.042,94.476 320.82,94.476 322.598,94.476 324.376,94.476 351.605,94.474 353.383,94.474 355.161,94.474 356.939,94.474 358.717,94.474 360.495,94.474 362.273,94.474 364.051,94.474 64.491,94.488 66.269,94.488 68.047,94.488 69.825,94.488 71.603,94.488 73.381,94.488 75.159,94.488 76.937,94.488 103.556,94.486 105.334,94.486 107.112,94.486 108.89,94.486 110.668,94.486 112.446,94.486 114.224,94.486 116.002,94.486 143.231,94.484 145.009,94.484 146.787,94.484 148.565,94.484 150.343,94.484 152.121,94.484 153.899,94.484 155.677,94.484 182.905,94.482 184.683,94.482 186.461,94.482 188.239,94.482 190.017,94.482 191.795,94.482 193.573,94.482 195.351,94.482 232.58,94.48 234.358,94.48 236.136,94.48 237.914,94.48 239.692,94.48 241.47,94.48 243.248,94.48 245.026,94.48 272.255,96.256 274.033,96.256 275.811,96.256 277.589,96.256 279.367,96.256 281.145,96.256 282.923,96.256 284.701,96.256 311.93,96.254 313.708,96.254 315.486,96.254 317.264,96.254 319.042,96.254 320.82,96.254 322.598,96.254 324.376,96.254 351.605,96.252 353.383,96.252 355.161,96.252 356.939,96.252 358.717,96.252 360.495,96.252 362.273,96.252 364.051,96.252 64.491,96.266 66.269,96.266 68.047,96.266 69.825,96.266 71.603,96.266 73.381,96.266 75.159,96.266 76.937,96.266 103.556,96.264 105.334,96.264 107.112,96.264 108.89,96.264 110.668,96.264 112.446,96.264 114.224,96.264 116.002,96.264 143.231,96.262 145.009,96.262 146.787,96.262 148.565,96.262 150.343,96.262 152.121,96.262 153.899,96.262 155.677,96.262 182.905,96.26 184.683,96.26 186.461,96.26 188.239,96.26 190.017,96.26 191.795,96.26 193.573,96.26 195.351,96.26 232.58,96.258 234.358,96.258 236.136,96.258 237.914,96.258 239.692,96.258 241.47,96.258 243.248,96.258 245.026,96.258 272.255,98.034 274.033,98.034 275.811,98.034 277.589,98.034 279.367,98.034 281.145,98.034 282.923,98.034 284.701,98.034 311.93,98.032 313.708,98.032 315.486,98.032 317.264,98.032 319.042,98.032 320.82,98.032 322.598,98.032 324.376,98.032 351.605,98.03 353.383,98.03 355.161,98.03 356.939,98.03 358.717,98.03 360.495,98.03 362.273,98.03 364.051,98.03 64.491,98.044 66.269,98.044 68.047,98.044 69.825,98.044 71.603,98.044 73.381,98.044 75.159,98.044 76.937,98.044 103.556,98.042 105.334,98.042 107.112,98.042 108.89,98.042 110.668,98.042 112.446,98.042 114.224,98.042 116.002,98.042 143.231,98.04 145.009,98.04 146.787,98.04 148.565,98.04 150.343,98.04 152.121,98.04 153.899,98.04 155.677,98.04 182.905,98.038 184.683,98.038 186.461,98.038 188.239,98.038 190.017,98.038 191.795,98.038 193.573,98.038 195.351,98.038 232.58,98.036 234.358,98.036 236.136,98.036 237.914,98.036 239.692,98.036 241.47,98.036 243.248,98.036 245.026,98.036 275.811,99.812 277.589,99.812 279.367,99.812 281.145,99.812 282.923,99.812 284.701,99.812 315.486,99.81 317.264,99.81 319.042,99.81 320.82,99.81 322.598,99.81 324.376,99.81 355.161,99.808 356.939,99.808 358.717,99.808 360.495,99.808 362.273,99.808 364.051,99.808 68.047,99.822 69.825,99.822 71.603,99.822 73.381,99.822 75.159,99.822 76.937,99.822 107.112,99.82 108.89,99.82 110.668,99.82 112.446,99.82 114.224,99.82 116.002,99.82 146.787,99.818 148.565,99.818 150.343,99.818 152.121,99.818 153.899,99.818 155.677,99.818 186.461,99.816 188.239,99.816 190.017,99.816 191.795,99.816 193.573,99.816 195.351,99.816 236.136,99.814 237.914,99.814 239.692,99.814 241.47,99.814 243.248,99.814 245.026,99.814 274.033,101.59 275.811,101.59 277.589,101.59 279.367,101.59 281.145,101.59 282.923,101.59 284.701,101.59 313.708,101.588 315.486,101.588 317.264,101.588 319.042,101.588 320.82,101.588 322.598,101.588 324.376,101.588 353.383,101.586 355.161,101.586 356.939,101.586 358.717,101.586 360.495,101.586 362.273,101.586 364.051,101.586 66.269,101.6 68.047,101.6 69.825,101.6 71.603,101.6 73.381,101.6 75.159,101.6 76.937,101.6 105.334,101.598 107.112,101.598 108.89,101.598 110.668,101.598 112.446,101.598 114.224,101.598 116.002,101.598 145.009,101.596 146.787,101.596 148.565,101.596 150.343,101.596 152.121,101.596 153.899,101.596 155.677,101.596 184.683,101.594 186.461,101.594 188.239,101.594 190.017,101.594 191.795,101.594 193.573,101.594 195.351,101.594 234.358,101.592 236.136,101.592 237.914,101.592 239.692,101.592 241.47,101.592 243.248,101.592 245.026,101.592 274.033,103.368 275.811,103.368 277.589,103.368 279.367,103.368 281.145,103.368 282.923,103.368 284.701,103.368 313.708,103.366 315.486,103.366 317.264,103.366 319.042,103.366 320.82,103.366 322.598,103.366 324.376,103.366 353.383,103.364 355.161,103.364 356.939,103.364 358.717,103.364 360.495,103.364 362.273,103.364 364.051,103.364 66.269,103.378 68.047,103.378 69.825,103.378 71.603,103.378 73.381,103.378 75.159,103.378 76.937,103.378 105.334,103.376 107.112,103.376 108.89,103.376 110.668,103.376 112.446,103.376 114.224,103.376 116.002,103.376 145.009,103.374 146.787,103.374 148.565,103.374 150.343,103.374 152.121,103.374 153.899,103.374 155.677,103.374 184.683,103.372 186.461,103.372 188.239,103.372 190.017,103.372 191.795,103.372 193.573,103.372 195.351,103.372 234.358,103.37 236.136,103.37 237.914,103.37 239.692,103.37 241.47,103.37 243.248,103.37 245.026,103.37 274.033,105.146 275.811,105.146 277.589,105.146 279.367,105.146 281.145,105.146 282.923,105.146 284.701,105.146 313.708,105.144 315.486,105.144 317.264,105.144 319.042,105.144 320.82,105.144 322.598,105.144 324.376,105.144 353.383,105.142 355.161,105.142 356.939,105.142 358.717,105.142 360.495,105.142 362.273,105.142 364.051,105.142 66.269,105.156 68.047,105.156 69.825,105.156 71.603,105.156 73.381,105.156 75.159,105.156 76.937,105.156 105.334,105.154 107.112,105.154 108.89,105.154 110.668,105.154 112.446,105.154 114.224,105.154 116.002,105.154 145.009,105.152 146.787,105.152 148.565,105.152 150.343,105.152 152.121,105.152 153.899,105.152 155.677,105.152 184.683,105.15 186.461,105.15 188.239,105.15 190.017,105.15 191.795,105.15 193.573,105.15 195.351,105.15 234.358,105.148 236.136,105.148 237.914,105.148 239.692,105.148 241.47,105.148 243.248,105.148 245.026,105.148 274.033,106.924 275.811,106.924 277.589,106.924 279.367,106.924 281.145,106.924 282.923,106.924 284.701,106.924 313.708,106.922 315.486,106.922 317.264,106.922 319.042,106.922 320.82,106.922 322.598,106.922 324.376,106.922 353.383,106.92 355.161,106.92 356.939,106.92 358.717,106.92 360.495,106.92 362.273,106.92 364.051,106.92 66.269,106.934 68.047,106.934 69.825,106.934 71.603,106.934 73.381,106.934 75.159,106.934 76.937,106.934 105.334,106.932 107.112,106.932 108.89,106.932 110.668,106.932 112.446,106.932 114.224,106.932 116.002,106.932 145.009,106.93 146.787,106.93 148.565,106.93 150.343,106.93 152.121,106.93 153.899,106.93 155.677,106.93 184.683,106.928 186.461,106.928 188.239,106.928 190.017,106.928 191.795,106.928 193.573,106.928 195.351,106.928 234.358,106.926 236.136,106.926 237.914,106.926 239.692,106.926 241.47,106.926 243.248,106.926 245.026,106.926 19.304,150.741 21.412,150.741 23.52,150.741 19.304,154.297 21.412,154.297 23.52,154.297 30.429,155.898 32.537,155.898 19.304,157.853 21.412,157.853 23.52,157.853 30.429,163.01 32.537,163.01 30.429,170.122 32.537,170.122 30.429,177.234 32.537,177.234